# KiCad board AICORS_PCB.kicad_pcb
title: AICORS FPGA Board; date: 2025-04-14; rev: 3.1; company: ICDT - Bertescu Andrei
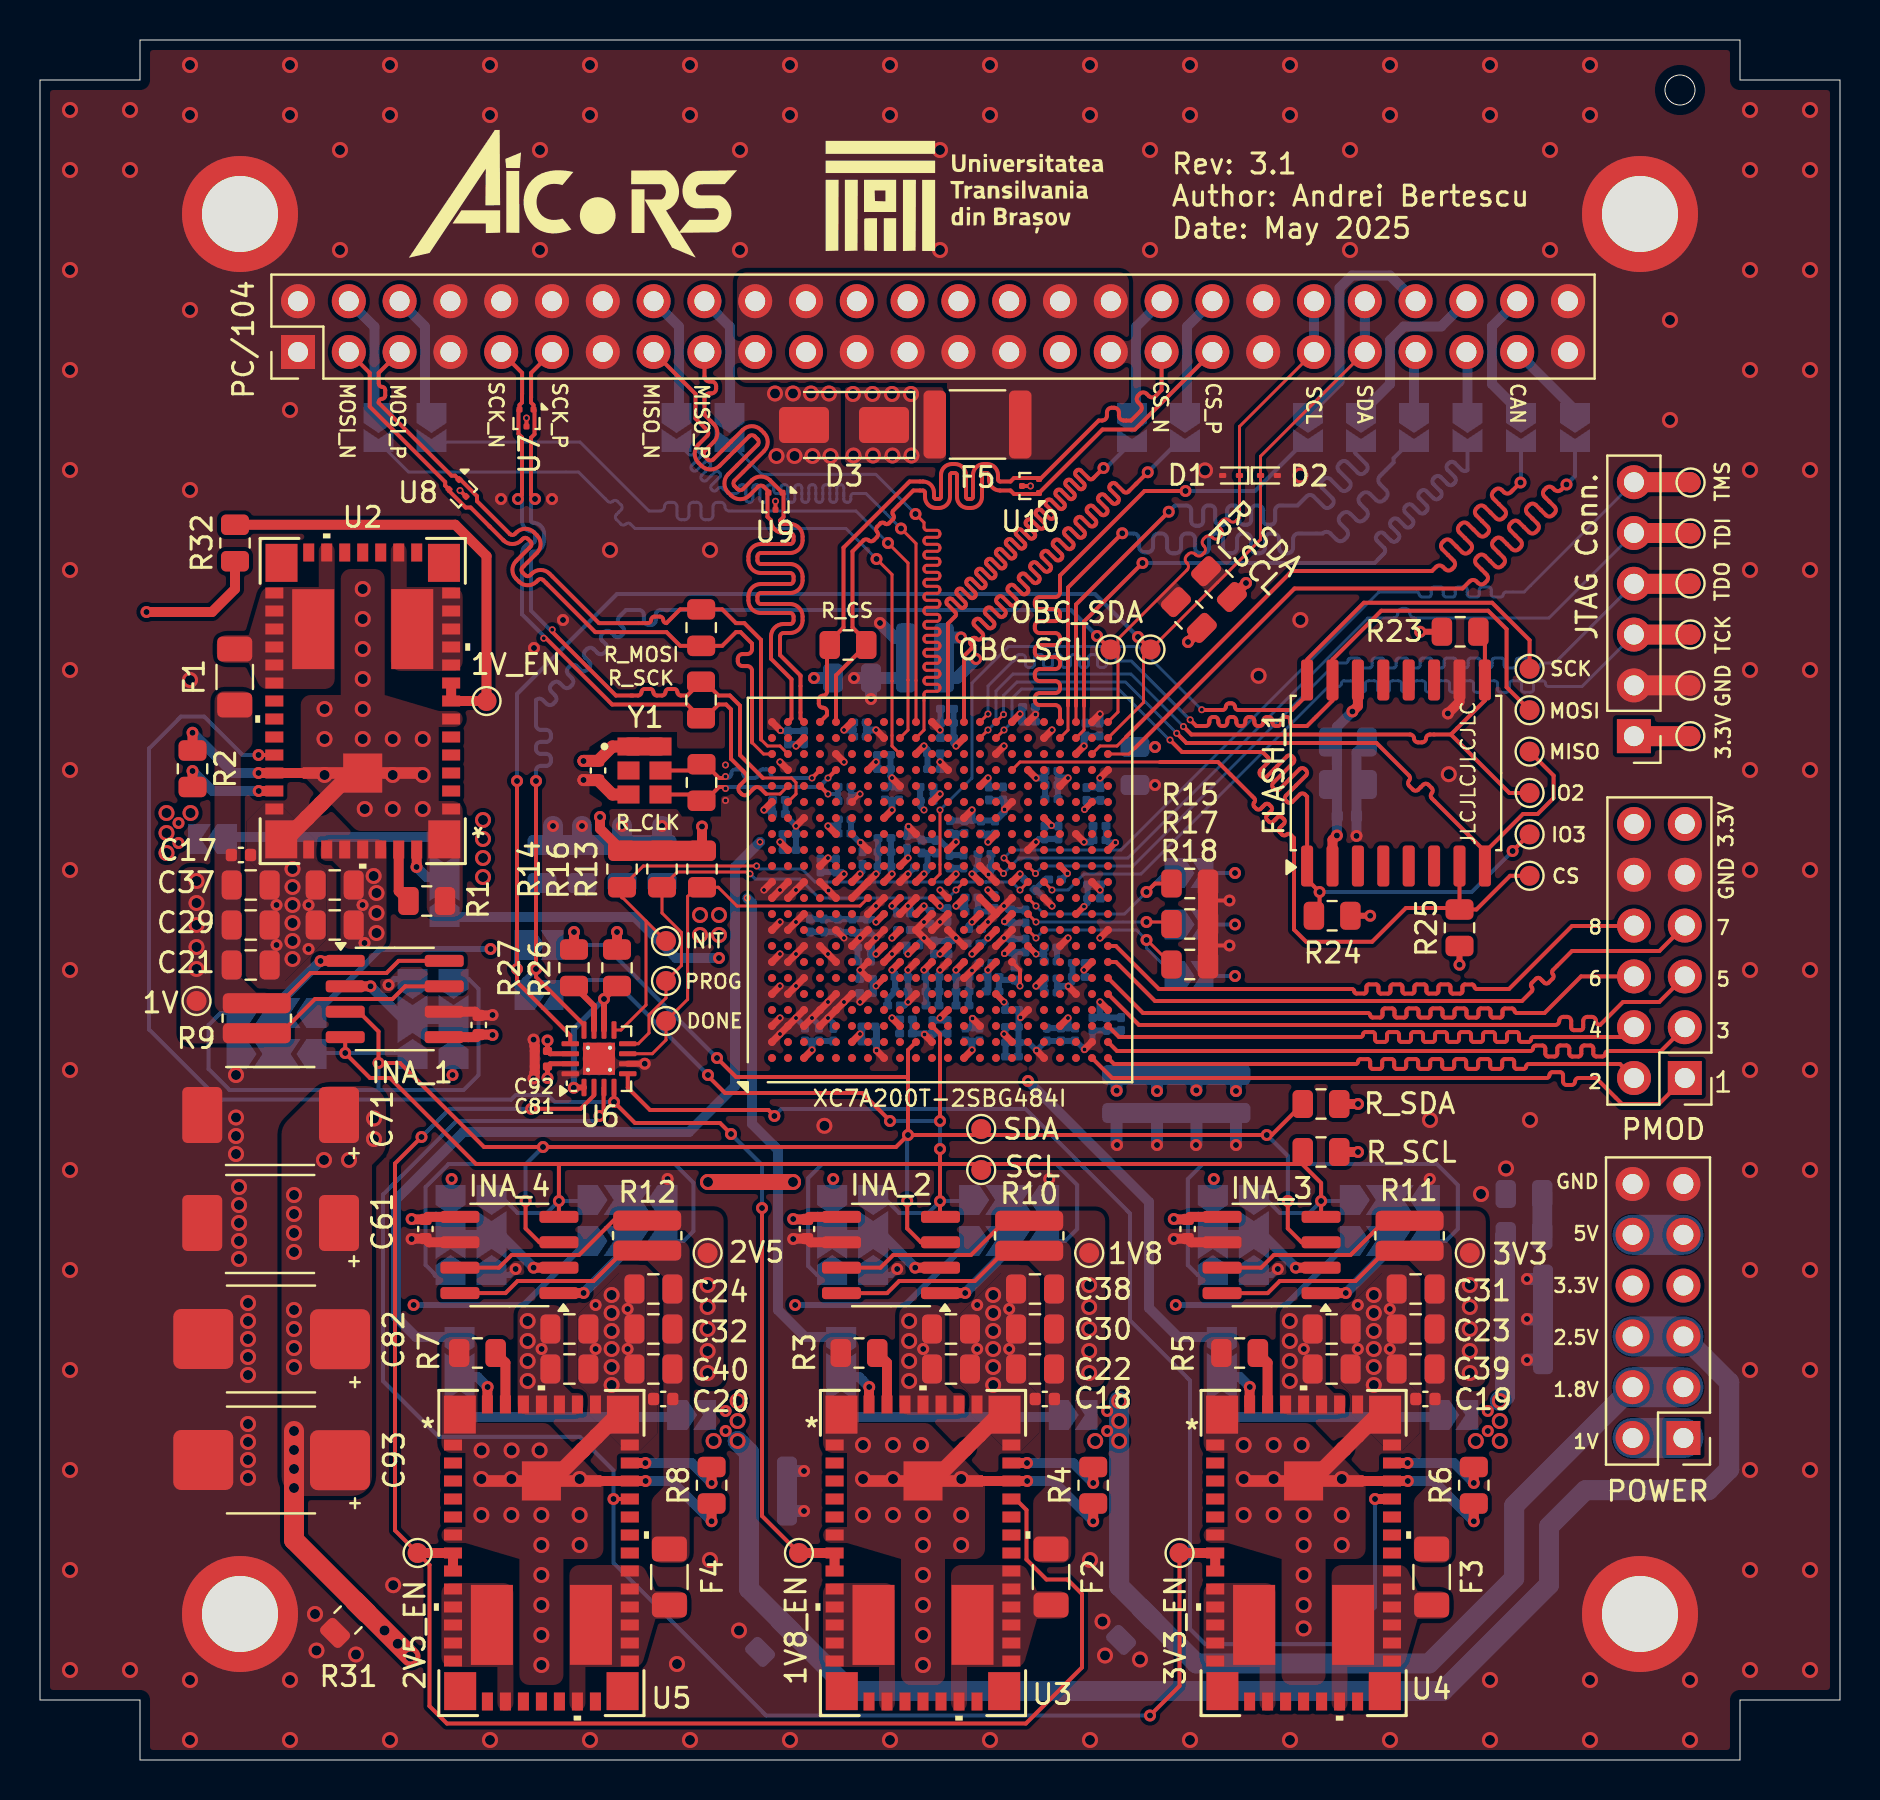
[diagram p0: board, top side]
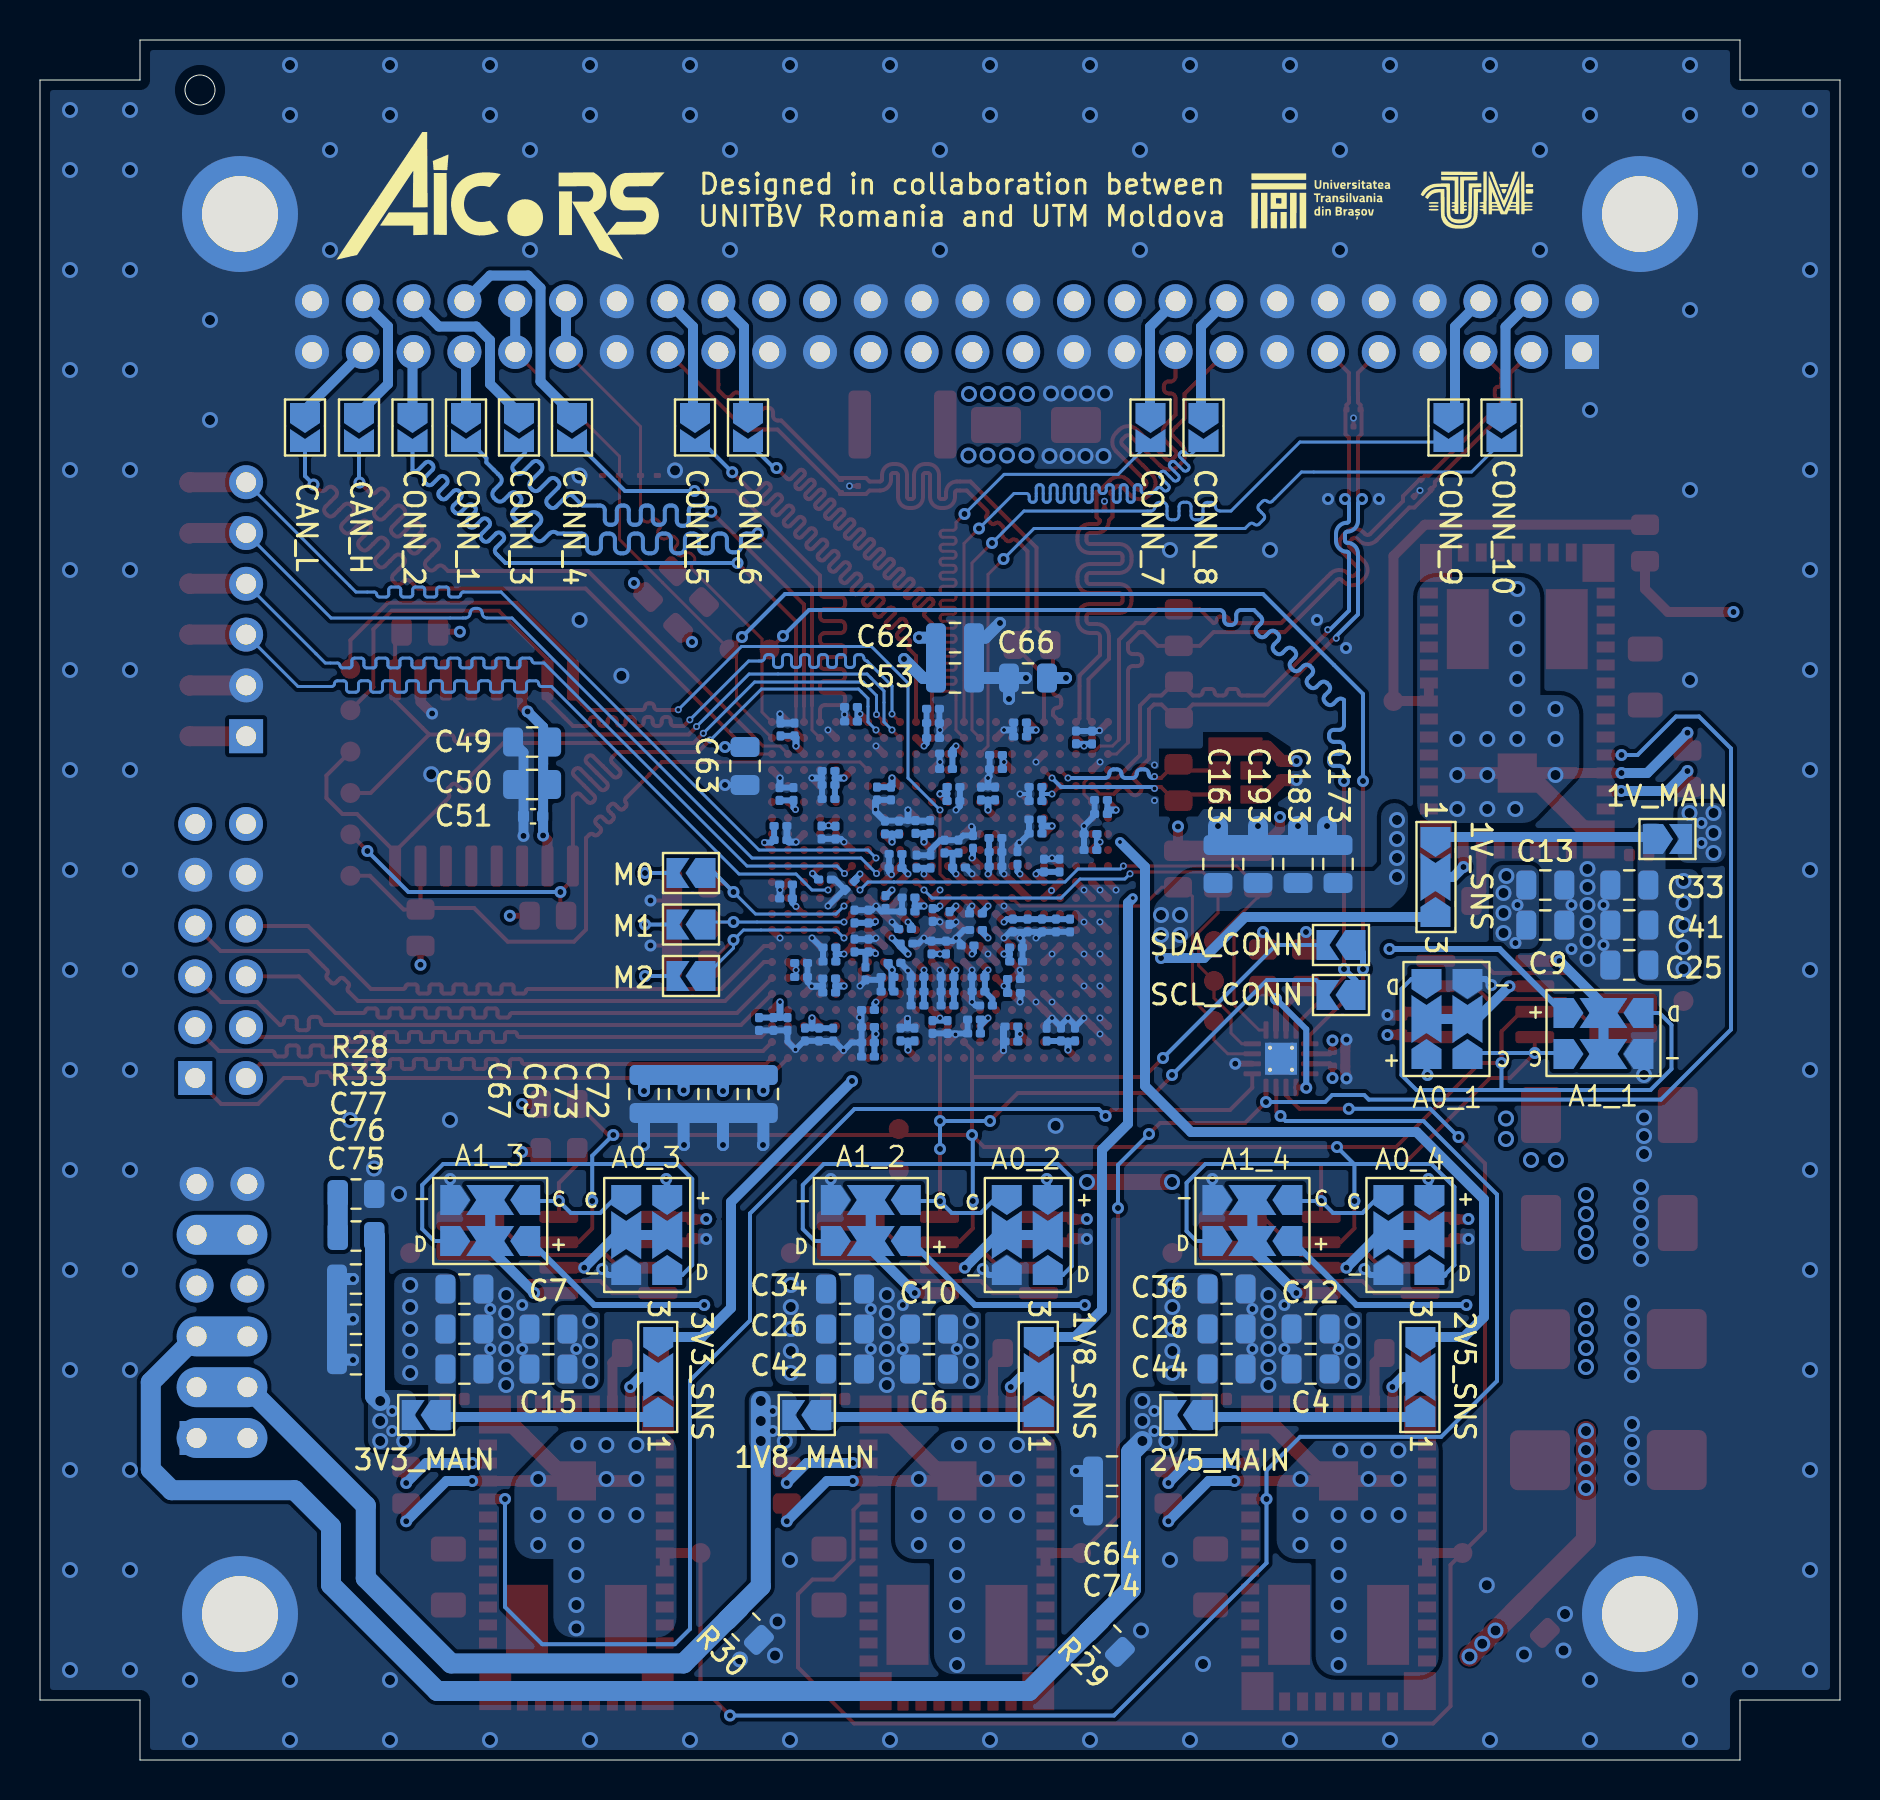
[diagram p1: board, bottom side, seen from below]

Outline 90 x 86 mm; copper layers: Top, In1.Cu, In2.Cu, Bottom. Coordinates in mm from the lower left corner of the outline.
Outline path: circle c82,83.5 r0.75 ; 0,84 0,3 5,3 5,0 85,0 85,3 90,3 90,84 85,84 85,86 5,86 5,84 0,84
Stack: Top 0.035mm / dielectric 0.1mm FR4 er 4.5 / dielectric 0.069mm FR4 er 1 / In1.Cu 0.03mm / dielectric 1.057mm FR4 er 4.5 / In2.Cu 0.03mm / dielectric 0.069mm FR4 er 4.5 / dielectric 0.124mm / Bottom 0.035mm

## Placement (name value [footprint] x y rotation side)
A0_1  SW_Rotary_1x4_MP  [4_Way_SolderJumper]  19.63 37.05 90 bottom  (not fitted)
A0_2  SW_Rotary_1x4_MP  [4_Way_SolderJumper]  40.66 26.25 270 bottom  (not fitted)
A0_3  SW_Rotary_1x4_MP  [4_Way_SolderJumper]  59.69 26.25 270 bottom  (not fitted)
A0_4  SW_Rotary_1x4_MP  [4_Way_SolderJumper]  21.58 26.25 270 bottom  (not fitted)
A1_1  SW_Rotary_1x4_MP  [4_Way_SolderJumper]  11.83 36.3 180 bottom  (not fitted)
A1_2  SW_Rotary_1x4_MP  [4_Way_SolderJumper]  48.46 27 0 bottom  (not fitted)
A1_3  SW_Rotary_1x4_MP  [4_Way_SolderJumper]  67.49 27 0 bottom  (not fitted)
A1_4  SW_Rotary_1x4_MP  [4_Way_SolderJumper]  29.38 27 0 bottom  (not fitted)
C1  47uF  [C_0805_2012Metric]  14.74 43.75 180 top
C2  47uF  [C_0805_2012Metric]  45.55 19.55 0 top
C3  47uF  [C_0805_2012Metric]  64.58 21.55 0 top
C4  47uF  [C_0805_2012Metric]  26.47 19.55 0 bottom
C5  47uF  [C_0805_2012Metric]  14.74 41.75 180 top
C6  47uF  [C_0805_2012Metric]  45.55 19.55 0 bottom
C7  47uF  [C_0805_2012Metric]  64.58 21.55 0 bottom
C8  47uF  [C_0805_2012Metric]  26.47 19.55 0 top
C9  22uF  [C_0805_2012Metric]  14.74 41.75 180 bottom
C10  22uF  [C_0805_2012Metric]  45.55 21.55 0 bottom
C11  22uF  [C_0805_2012Metric]  64.58 19.55 0 top
C12  22uF  [C_0805_2012Metric]  26.47 21.55 0 bottom
C13  22uF  [C_0805_2012Metric]  14.74 43.75 180 bottom
C14  22uF  [C_0805_2012Metric]  45.55 21.55 0 top
C15  22uF  [C_0805_2012Metric]  64.58 19.55 0 bottom
C16  22uF  [C_0805_2012Metric]  26.47 21.55 0 top
C17  0.1uF  [C_0402_1005Metric]  10.05 45.25 0 top
C18  0.1uF  [C_0402_1005Metric]  50.24 18.05 180 top
C19  0.1uF  [C_0402_1005Metric]  69.27 18.05 180 top
C20  0.1uF  [C_0402_1005Metric]  31.16 18.05 180 top
C21  47uF  [C_0805_2012Metric]  10.54 39.75 0 top
C22  47uF  [C_0805_2012Metric]  49.75 19.55 180 top
C23  47uF  [C_0805_2012Metric]  68.78 21.55 180 top
C24  47uF  [C_0805_2012Metric]  30.67 23.55 180 top
C25  47uF  [C_0805_2012Metric]  10.54 39.75 0 bottom
C26  47uF  [C_0805_2012Metric]  49.75 21.55 180 bottom
C27  47uF  [C_0805_2012Metric]  68.78 23.55 180 bottom
C28  47uF  [C_0805_2012Metric]  30.67 21.55 180 bottom
C29  47uF  [C_0805_2012Metric]  10.54 41.75 0 top
C30  47uF  [C_0805_2012Metric]  49.75 21.55 180 top
C31  47uF  [C_0805_2012Metric]  68.78 23.55 180 top
C32  47uF  [C_0805_2012Metric]  30.67 21.55 180 top
C33  47uF  [C_0805_2012Metric]  10.54 43.75 0 bottom
C34  47uF  [C_0805_2012Metric]  49.75 23.55 180 bottom
C35  47uF  [C_0805_2012Metric]  68.78 21.55 180 bottom
C36  47uF  [C_0805_2012Metric]  30.67 23.55 180 bottom
C37  47uF  [C_0805_2012Metric]  10.54 43.75 0 top
C38  47uF  [C_0805_2012Metric]  49.75 23.55 180 top
C39  47uF  [C_0805_2012Metric]  68.78 19.55 180 top
C40  47uF  [C_0805_2012Metric]  30.67 19.55 180 top
C41  47uF  [C_0805_2012Metric]  10.54 41.75 0 bottom
C42  47uF  [C_0805_2012Metric]  49.75 19.55 180 bottom
C43  47uF  [C_0805_2012Metric]  68.78 19.55 180 bottom
C44  47uF  [C_0805_2012Metric]  30.67 19.55 180 bottom
C45  0.1uF  [C_0402_1005Metric]  21.94 36.75 90 top
C46  0.1uF  [C_0402_1005Metric]  38.35 26.55 270 top
C47  0.1uF  [C_0402_1005Metric]  57.38 26.55 270 top
C48  0.1uF  [C_0402_1005Metric]  19.27 26.55 270 top
C49  47uF  [C_0805_2012Metric]  65.39 50.9 0 bottom
C50  22uF  [C_0805_2012Metric]  65.39 48.77 0 bottom
C51  0.1uF  [C_0402_1005Metric]  65.34 47.18 0 bottom
C52  0.1uF  [C_0402_1005Metric]  27.9 49.47 270 top
C53  47uF  [C_0805_2012Metric]  44.25 54.1 180 bottom
C54  0.47uF  [C_0201_0603Metric]  45.35 52.56 180 bottom
C55  0.47uF  [C_0201_0603Metric]  48.6 35.17 0 bottom
C56  4.7uF  [C_0201_0603Metric]  54.05 36.8 270 bottom
C58  4.7uF  [C_0201_0603Metric]  39.67 36.27 90 bottom
C60  4.7uF  [C_0201_0603Metric]  50.34 36.27 270 bottom
C61  100uF  [Panasonic_D2 Tantalum Capacitor]  11.5 26.8 180 top
C62  47uF  [C_0805_2012Metric]  44.25 56.12 180 bottom
C63  47uF  [C_0805_2012Metric]  54.75 49.7 270 bottom
C64  47uF  [C_0805_2012Metric]  36.4 14.45 0 bottom
C65  47uF  [C_0805_2012Metric]  57.82 33.3 270 bottom
C66  47uF  [C_0805_2012Metric]  40.6 54.1 0 bottom
C67  47uF  [C_0805_2012Metric]  59.8 33.3 270 bottom
C68  4.7uF  [C_0201_0603Metric]  44.07 45.67 90 bottom
C69  4.7uF  [C_0201_0603Metric]  48.73 39.32 270 bottom
C70  0.47uF  [C_0201_0603Metric]  46.68 40.82 180 bottom
C71  100uF  [Panasonic_D2 Tantalum Capacitor]  11.5 32.2 180 top
C72  47uF  [C_0805_2012Metric]  53.83 33.3 270 bottom
C73  47uF  [C_0805_2012Metric]  55.85 33.3 270 bottom
C74  47uF  [C_0805_2012Metric]  36.4 12.45 0 bottom
C75  47uF  [C_0805_2012Metric]  74.2 20.02 0 bottom
C76  47uF  [C_0805_2012Metric]  74.2 22.03 0 bottom
C77  47uF  [C_0805_2012Metric]  74.2 24.05 0 bottom
C78  4.7uF  [C_0201_0603Metric]  42.23 46.1 180 bottom
C79  4.7uF  [C_0201_0603Metric]  40.63 41.72 270 bottom
C80  0.47uF  [C_0201_0603Metric]  46.13 39.15 0 bottom
C81  4.7uF  [C_0201_0603Metric]  25.05 34.67 180 top
C82  680uF  [Panasonic_D4 Tantalum Capacitor]  11.5 21.05 180 top
C83  4.7uF  [C_0201_0603Metric]  47.23 44.6 0 bottom
C84  4.7uF  [C_0201_0603Metric]  52.98 51.52 90 bottom
C85  4.7uF  [C_0201_0603Metric]  50.53 39.92 0 bottom
C86  4.7uF  [C_0201_0603Metric]  36.95 48 0 bottom
C87  4.7uF  [C_0201_0603Metric]  50.57 48.75 0 bottom
C88  4.7uF  [C_0201_0603Metric]  53.02 48.3 90 bottom
C89  4.7uF  [C_0201_0603Metric]  52.98 46.7 180 bottom
C90  4.7uF  [C_0201_0603Metric]  44.63 37.72 0 bottom
C91  0.47uF  [C_0201_0603Metric]  45.43 40.62 90 bottom
C92  4.7uF  [C_0201_0603Metric]  25.05 35.45 180 top
C93  680uF  [Panasonic_D4 Tantalum Capacitor]  11.5 15 180 top
C94  4.7uF  [C_0201_0603Metric]  42.23 45.4 180 bottom
C95  4.7uF  [C_0201_0603Metric]  49.5 43.73 315 bottom
C96  4.7uF  [C_0201_0603Metric]  51.05 36.27 270 bottom
C97  4.7uF  [C_0201_0603Metric]  40.23 47.95 0 bottom
C98  4.7uF  [C_0201_0603Metric]  52.7 43.07 0 bottom
C99  4.7uF  [C_0201_0603Metric]  51.95 39.85 180 bottom
C100  4.7uF  [C_0201_0603Metric]  50.54 38.38 0 bottom
C101  4.7uF  [C_0201_0603Metric]  42.7 37.72 0 bottom
C102  0.47uF  [C_0201_0603Metric]  46.75 41.55 0 bottom
C103  4.7uF  [C_0201_0603Metric]  39.02 44.72 90 bottom
C104  4.7uF  [C_0201_0603Metric]  47.45 48.32 270 bottom
C105  4.7uF  [C_0201_0603Metric]  44.33 47.95 180 bottom
C106  4.7uF  [C_0201_0603Metric]  38.2 51.13 90 bottom
C107  4.7uF  [C_0201_0603Metric]  44.7 49.55 0 bottom
C108  4.7uF  [C_0201_0603Metric]  49.45 52.65 0 bottom
C109  4.7uF  [C_0201_0603Metric]  45.35 51.85 180 bottom
C110  0.47uF  [C_0201_0603Metric]  41.35 41.72 270 bottom
C111  4.7uF  [C_0201_0603Metric]  39.9 41.72 270 bottom
C112  0.47uF  [C_0201_0603Metric]  41.2 39.92 180 bottom
C113  4.7uF  [C_0201_0603Metric]  45.48 44.92 90 bottom
C114  4.7uF  [C_0201_0603Metric]  42.2 50.25 0 bottom
C115  4.7uF  [C_0201_0603Metric]  42.25 48.32 90 bottom
C116  4.7uF  [C_0201_0603Metric]  37.48 45.5 0 bottom
C117  4.7uF  [C_0201_0603Metric]  50.57 48.05 0 bottom
C118  4.7uF  [C_0201_0603Metric]  53.32 36.8 270 bottom
C119  4.7uF  [C_0201_0603Metric]  52.7 43.77 0 bottom
C120  0.47uF  [C_0201_0603Metric]  45.37 42.25 270 bottom
C121  4.7uF  [C_0201_0603Metric]  38.5 41.72 270 bottom
C122  0.47uF  [C_0201_0603Metric]  41.2 40.62 180 bottom
C123  4.7uF  [C_0201_0603Metric]  44.77 45.67 90 bottom
C124  4.7uF  [C_0201_0603Metric]  41.3 38.35 180 bottom
C125  4.7uF  [C_0201_0603Metric]  47.75 46.62 90 bottom
C126  4.7uF  [C_0201_0603Metric]  40.99 51.88 0 bottom
C127  4.7uF  [C_0201_0603Metric]  38.95 36.27 90 bottom
C128  4.7uF  [C_0201_0603Metric]  45.5 46.65 90 bottom
C129  4.7uF  [C_0201_0603Metric]  50.93 46.38 270 bottom
C130  0.47uF  [C_0201_0603Metric]  43.21 42.32 0 bottom
C131  4.7uF  [C_0201_0603Metric]  46.57 43.12 0 bottom
C132  0.47uF  [C_0201_0603Metric]  46.57 42.42 0 bottom
C133  4.7uF  [C_0201_0603Metric]  48.6 35.88 0 bottom
C134  4.7uF  [C_0201_0603Metric]  46.98 36.27 90 bottom
C135  4.7uF  [C_0201_0603Metric]  40.23 47.02 0 bottom
C136  4.7uF  [C_0201_0603Metric]  45.38 36.65 270 bottom
C137  4.7uF  [C_0201_0603Metric]  43.3 36.32 0 bottom
C138  4.7uF  [C_0201_0603Metric]  41.43 36.67 0 bottom
C139  4.7uF  [C_0201_0603Metric]  47.63 38.42 0 bottom
C140  4.7uF  [C_0201_0603Metric]  46.13 37.72 0 bottom
C141  0.47uF  [C_0201_0603Metric]  43.07 39.15 0 bottom
C142  0.47uF  [C_0201_0603Metric]  47.23 45.3 0 bottom
C143  4.7uF  [C_0201_0603Metric]  44.63 38.42 0 bottom
C144  4.7uF  [C_0201_0603Metric]  39.2 41.72 270 bottom
C145  0.47uF  [C_0201_0603Metric]  48.57 40.72 90 bottom
C146  0.47uF  [C_0201_0603Metric]  42.23 44.67 180 bottom
C147  0.47uF  [C_0201_0603Metric]  47.05 46.62 90 bottom
C148  0.47uF  [C_0201_0603Metric]  48.15 48.32 270 bottom
C149  0.47uF  [C_0201_0603Metric]  40.23 48.65 0 bottom
C150  0.47uF  [C_0201_0603Metric]  46.27 36.27 90 bottom
C151  0.47uF  [C_0201_0603Metric]  52.98 46 180 bottom
C152  0.47uF  [C_0201_0603Metric]  44.32 48.65 180 bottom
C153  4.7uF  [C_0201_0603Metric]  46.13 38.42 0 bottom
C154  4.7uF  [C_0201_0603Metric]  44.7 40.62 90 bottom
C155  0.47uF  [C_0201_0603Metric]  48.57 42.17 90 bottom
C156  0.47uF  [C_0201_0603Metric]  44.52 42.1 270 bottom
C157  0.47uF  [C_0201_0603Metric]  41.13 45.1 90 bottom
C158  0.47uF  [C_0201_0603Metric]  50.23 46.37 270 bottom
C159  0.47uF  [C_0201_0603Metric]  36.95 47.3 0 bottom
C160  0.47uF  [C_0201_0603Metric]  50.54 39.07 0 bottom
C161  0.47uF  [C_0201_0603Metric]  52.32 48.3 90 bottom
C162  0.47uF  [C_0201_0603Metric]  45.35 51.1 180 bottom
C163  47uF  [C_0805_2012Metric]  31.1 44.8 90 bottom
C164  4.7uF  [C_0201_0603Metric]  47.27 39.85 180 bottom
C165  0.47uF  [C_0201_0603Metric]  43.63 40.72 0 bottom
C166  0.47uF  [C_0201_0603Metric]  44.05 44.62 180 bottom
C167  0.47uF  [C_0201_0603Metric]  41.3 39.05 180 bottom
C168  0.47uF  [C_0201_0603Metric]  48.6 37.5 0 bottom
C169  0.47uF  [C_0201_0603Metric]  40.99 51.17 0 bottom
C170  0.47uF  [C_0201_0603Metric]  52.63 36.8 270 bottom
C171  0.47uF  [C_0201_0603Metric]  43.3 37.02 0 bottom
C172  0.47uF  [C_0201_0603Metric]  44.63 36.65 270 bottom
C173  47uF  [C_0805_2012Metric]  25.1 44.8 90 bottom
C174  4.7uF  [C_0201_0603Metric]  43.07 38.42 0 bottom
C175  0.47uF  [C_0201_0603Metric]  43.2 41.5 0 bottom
C176  0.47uF  [C_0201_0603Metric]  39.8 44.72 90 bottom
C177  0.47uF  [C_0201_0603Metric]  46.23 46.65 90 bottom
C178  0.47uF  [C_0201_0603Metric]  51.75 36.27 270 bottom
C179  0.47uF  [C_0201_0603Metric]  37.48 46.3 0 bottom
C180  0.47uF  [C_0201_0603Metric]  52.27 51.52 90 bottom
C181  0.47uF  [C_0201_0603Metric]  42.2 49.55 0 bottom
C182  0.47uF  [C_0201_0603Metric]  51.95 39.15 180 bottom
C183  47uF  [C_0805_2012Metric]  27.1 44.8 90 bottom
C184  4.7uF  [C_0201_0603Metric]  49.27 40.72 90 bottom
C185  0.47uF  [C_0201_0603Metric]  44.63 39.15 0 bottom
C186  0.47uF  [C_0201_0603Metric]  46.18 44.92 90 bottom
C187  0.47uF  [C_0201_0603Metric]  43.35 45.91 90 bottom
C188  0.47uF  [C_0201_0603Metric]  38.25 36.27 90 bottom
C189  0.47uF  [C_0201_0603Metric]  40.23 46.32 0 bottom
C190  0.47uF  [C_0201_0603Metric]  50.57 49.45 0 bottom
C191  0.47uF  [C_0201_0603Metric]  50.75 44.02 180 bottom
C192  0.47uF  [C_0201_0603Metric]  48.6 36.65 0 bottom
C193  47uF  [C_0805_2012Metric]  29.1 44.8 90 bottom
C194  4.7uF  [C_0201_0603Metric]  49.27 42.17 90 bottom
C195  0.47uF  [C_0201_0603Metric]  47.63 39.15 0 bottom
C196  0.47uF  [C_0201_0603Metric]  47.73 42.9 270 bottom
C197  0.47uF  [C_0201_0603Metric]  50.53 40.62 0 bottom
C198  0.47uF  [C_0201_0603Metric]  49.45 51.92 0 bottom
C199  0.47uF  [C_0201_0603Metric]  37.4 51.12 90 bottom
C200  0.47uF  [C_0201_0603Metric]  44.7 50.32 0 bottom
C201  0.47uF  [C_0201_0603Metric]  42.95 48.32 90 bottom
C202  0.47uF  [C_0201_0603Metric]  41.43 35.92 0 bottom
D1  ESD9B3.3ST5G  [D_SOD-923]  59.55 64.22 180 top
D2  ESD9B3.3ST5G  [D_SOD-923]  61.45 64.22 0 top
D3  SMAJ5.0A  [D_SMA]  40.2 66.75 180 top
F1  3A  [Fuse_1206_3216Metric]  9.74 54.15 270 top
F2  3A  [Fuse_1206_3216Metric]  50.55 9.15 90 top
F3  3A  [Fuse_1206_3216Metric]  69.58 9.15 90 top
F4  3A  [Fuse_1206_3216Metric]  31.47 9.15 90 top
F5  MF-MSMF200-2  [Fuse_1812_4532Metric]  46.88 66.77 180 top
FLASH_1  S25FL512SAGMFI010  [SOIC-16W_7.5x10.3mm_P1.27mm]  67.8 49.35 90 top
H1  MountingHole  [MountingHole_3.8mm_1mmPad]  80 77.3 0 top  (not fitted)
H2  MountingHole  [MountingHole_3.8mm_1mmPad]  10 7.3 0 top  (not fitted)
H3  MountingHole  [MountingHole_3.8mm_1mmPad]  80 7.3 0 top  (not fitted)
H4  MountingHole  [MountingHole_3.8mm_1mmPad]  10 77.3 0 top  (not fitted)
INA_1  INA219BID  [SOIC-8_3.9x4.9mm_P1.27mm]  17.74 38.05 0 top
INA_2  INA219BID  [SOIC-8_3.9x4.9mm_P1.27mm]  42.55 25.25 180 top
INA_3  INA219BID  [SOIC-8_3.9x4.9mm_P1.27mm]  61.58 25.25 180 top
INA_4  INA219BID  [SOIC-8_3.9x4.9mm_P1.27mm]  23.47 25.25 180 top
J1  ESQ-126-39-G-D  [52-PinHeader_SlimDensity]  12.9 70.4 90 top
J2  TSW-106-07-L-S  [PinHeader_1x06_P2.54mm_Vertical]  79.69 51.19 180 top
J3  Conn_02x04_Odd_Even  [PinHeader_2x06_P2.54mm_Vertical]  82.24 34.1 180 top  (not fitted)
J4  Conn_02x04_Odd_Even  [PinHeader_2x06_P2.54mm_Vertical]  82.17 16.1 180 top  (not fitted)
JP1  1V_SNS  [SolderJumper-3_P2.0mm_Open_TrianglePad1.0x1.5mm_NumberLabels]  20.23 44.15 270 bottom  (not fitted)
JP2  1V8_SNS  [SolderJumper-3_P2.0mm_Open_TrianglePad1.0x1.5mm_NumberLabels]  40.06 19.15 90 bottom  (not fitted)
JP3  3V3_SNS  [SolderJumper-3_P2.0mm_Open_TrianglePad1.0x1.5mm_NumberLabels]  59.09 19.15 90 bottom  (not fitted)
JP4  2V5_SNS  [SolderJumper-3_P2.0mm_Open_TrianglePad1.0x1.5mm_NumberLabels]  20.98 19.15 90 bottom  (not fitted)
JP5  1V_MAIN  [SolderJumper-2_P1.3mm_Open_TrianglePad1.0x1.5mm]  8.63 46.05 180 bottom  (not fitted)
JP6  1V8_MAIN  [SolderJumper-2_P1.3mm_Open_TrianglePad1.0x1.5mm]  51.66 17.25 0 bottom  (not fitted)
JP7  3V3_MAIN  [SolderJumper-2_P1.3mm_Open_TrianglePad1.0x1.5mm]  70.69 17.25 0 bottom  (not fitted)
JP8  2V5_MAIN  [SolderJumper-2_P1.3mm_Open_TrianglePad1.0x1.5mm]  32.58 17.25 0 bottom  (not fitted)
JP9  M0  [SolderJumper-2_P1.3mm_Open_TrianglePad1.0x1.5mm]  57.45 44.35 0 bottom  (not fitted)
JP10  M1  [SolderJumper-2_P1.3mm_Open_TrianglePad1.0x1.5mm]  57.45 41.77 0 bottom  (not fitted)
JP11  M2  [SolderJumper-2_P1.3mm_Open_TrianglePad1.0x1.5mm]  57.45 39.2 0 bottom  (not fitted)
JP12  SDA_CONN  [SolderJumper-2_P1.3mm_Open_TrianglePad1.0x1.5mm]  24.95 40.75 0 bottom  (not fitted)
JP13  SCL_CONN  [SolderJumper-2_P1.3mm_Open_TrianglePad1.0x1.5mm]  24.95 38.25 0 bottom  (not fitted)
JP14  CONN_10  [SolderJumper-2_P1.3mm_Open_TrianglePad1.0x1.5mm]  16.93 66.62 270 bottom  (not fitted)
JP15  CONN_9  [SolderJumper-2_P1.3mm_Open_TrianglePad1.0x1.5mm]  19.57 66.62 270 bottom  (not fitted)
JP16  CONN_8  [SolderJumper-2_P1.3mm_Open_TrianglePad1.0x1.5mm]  31.82 66.62 270 bottom  (not fitted)
JP17  CONN_7  [SolderJumper-2_P1.3mm_Open_TrianglePad1.0x1.5mm]  34.48 66.62 270 bottom  (not fitted)
JP18  CONN_6  [SolderJumper-2_P1.3mm_Open_TrianglePad1.0x1.5mm]  54.6 66.62 270 bottom  (not fitted)
JP19  CONN_5  [SolderJumper-2_P1.3mm_Open_TrianglePad1.0x1.5mm]  57.25 66.62 270 bottom  (not fitted)
JP20  CONN_4  [SolderJumper-2_P1.3mm_Open_TrianglePad1.0x1.5mm]  63.4 66.62 270 bottom  (not fitted)
JP21  CONN_1  [SolderJumper-2_P1.3mm_Open_TrianglePad1.0x1.5mm]  68.7 66.62 270 bottom  (not fitted)
JP22  CONN_3  [SolderJumper-2_P1.3mm_Open_TrianglePad1.0x1.5mm]  66.05 66.62 270 bottom  (not fitted)
JP23  CONN_2  [SolderJumper-2_P1.3mm_Open_TrianglePad1.0x1.5mm]  71.38 66.62 270 bottom  (not fitted)
JP24  CAN_H  [SolderJumper-2_P1.3mm_Open_TrianglePad1.0x1.5mm]  74.05 66.62 270 bottom  (not fitted)
JP25  CAN_L  [SolderJumper-2_P1.3mm_Open_TrianglePad1.0x1.5mm]  76.75 66.62 270 bottom  (not fitted)
NT1  SHORT  [NetTie-2_SMD_Pad0.5mm]  32.95 40.1 0 bottom  (not fitted)
NT2  SHORT  [NetTie-2_SMD_Pad0.5mm]  35.6 41.75 90 bottom  (not fitted)
NT3  SHORT  [NetTie-2_SMD_Pad0.5mm]  57.4 21.15 180 bottom  (not fitted)
NT4  SHORT  [NetTie-2_SMD_Pad0.5mm]  34.75 44 90 bottom  (not fitted)
NT5  SHORT  [Net_tie_1mm]  13.71 47.46 45 top  (not fitted)
NT6  SHORT  [Net_tie_1mm]  46.61 15.92 225 top  (not fitted)
NT7  SHORT  [Net_tie_1mm]  65.52 15.89 225 top  (not fitted)
NT8  SHORT  [Net_tie_1mm]  27.48 15.84 225 top  (not fitted)
R1  5.76k  [R_0805_2012Metric]  19.34 42.95 180 top
R2  OPEN  [R_0805_2012Metric]  7.63 49.56 270 top  (not fitted)
R3  1.13k  [R_0805_2012Metric]  40.95 20.35 0 top
R4  324k  [R_0805_2012Metric]  52.66 13.74 90 top
R5  453R  [R_0805_2012Metric]  59.98 20.35 0 top
R6  158k  [R_0805_2012Metric]  71.69 13.74 90 top
R7  665R  [R_0805_2012Metric]  21.87 20.35 0 top
R8  324k  [R_0805_2012Metric]  33.58 13.74 90 top
R9  0.02R  [R_0612_1632Metric]  10.84 37.09 270 top
R10  0.02R  [R_0612_1632Metric]  49.46 26.21 90 top
R11  0.02R  [R_0612_1632Metric]  68.48 26.21 90 top
R12  0.02R  [R_0612_1632Metric]  30.36 26.22 90 top
R13  453R  [R_0805_2012Metric]  33.1 44.55 270 top
R14  4.7k  [R_0805_2012Metric]  29.1 44.55 270 top
R15  1k  [R_0805_2012Metric]  57.49 43.82 180 top
R16  4.7k  [R_0805_2012Metric]  31.1 44.55 270 top
R17  1k  [R_0805_2012Metric]  57.49 41.8 180 top
R18  1k  [R_0805_2012Metric]  57.49 39.77 180 top
R19  3.3k  [R_0805_2012Metric]  58.95 58.8 315 top
R20  3.3k  [R_0805_2012Metric]  64.05 32.8 0 top
R21  3.3k  [R_0805_2012Metric]  57.45 57.25 315 top
R22  3.3k  [R_0805_2012Metric]  64.05 30.4 0 top
R23  4.7k  [R_0805_2012Metric]  71.01 56.41 0 top
R24  4.7k  [R_0805_2012Metric]  64.61 42.21 180 top
R25  4.7k  [R_0805_2012Metric]  70.97 41.61 90 top
R26  1k  [R_0805_2012Metric]  28.85 39.61 90 top
R27  1k  [R_0805_2012Metric]  26.7 39.61 90 top
R28  10k  [R_0805_2012Metric]  74.2 28.3 0 bottom
R29  324k  [R_0805_2012Metric]  36.65 6.05 45 bottom
R30  324k  [R_0805_2012Metric]  54.7 6.65 45 bottom
R31  10k  [R_0805_2012Metric]  15.4 7 45 top
R32  3.3k  [R_0805_2012Metric]  9.75 60.85 90 top
R33  10k  [R_0805_2012Metric]  74.2 26.2 180 bottom
R34  100R  [R_0805_2012Metric]  33.05 53 90 top
R35  100R  [R_0805_2012Metric]  33.07 48.88 270 top
R36  100R  [R_0805_2012Metric]  33.06 56.62 90 top
R37  100R  [R_0805_2012Metric]  40.4 55.75 0 top
TP1  1V  [TestPoint_Pad_D1.0mm]  7.83 37.95 180 top  (not fitted)
TP2  1V8  [TestPoint_Pad_D1.0mm]  52.46 25.35 0 top  (not fitted)
TP3  TMS  [TestPoint_Pad_D1.0mm]  82.53 63.88 0 top  (not fitted)
TP4  TDI  [TestPoint_Pad_D1.0mm]  82.53 61.32 0 top  (not fitted)
TP5  DONE  [TestPoint_Pad_D1.0mm]  31.3 36.95 0 top  (not fitted)
TP6  TDO  [TestPoint_Pad_D1.0mm]  82.53 58.82 0 top  (not fitted)
TP7  INIT  [TestPoint_Pad_D1.0mm]  31.3 40.95 0 top  (not fitted)
TP8  PROG  [TestPoint_Pad_D1.0mm]  31.3 38.95 0 top  (not fitted)
TP9  TCK  [TestPoint_Pad_D1.0mm]  82.53 56.27 0 top  (not fitted)
TP10  SDA  [TestPoint_Pad_D1.0mm]  47.06 31.55 0 top  (not fitted)
TP11  SCL  [TestPoint_Pad_D1.0mm]  47.06 29.5 0 top  (not fitted)
TP12  SCK  [TestPoint_Pad_D1.0mm]  74.48 54.56 90 top  (not fitted)
TP13  MOSI  [TestPoint_Pad_D1.0mm]  74.48 52.49 90 top  (not fitted)
TP14  MISO  [TestPoint_Pad_D1.0mm]  74.48 50.42 90 top  (not fitted)
TP15  IO2  [TestPoint_Pad_D1.0mm]  74.48 48.35 90 top  (not fitted)
TP16  IO3  [TestPoint_Pad_D1.0mm]  74.48 46.28 90 top  (not fitted)
TP17  CS  [TestPoint_Pad_D1.0mm]  74.48 44.21 90 top  (not fitted)
TP18  OBC_SDA  [TestPoint_Pad_D1.0mm]  55.52 55.52 0 top  (not fitted)
TP19  OBC_SCL  [TestPoint_Pad_D1.0mm]  53.52 55.52 0 top  (not fitted)
TP20  1V_EN  [TestPoint_Pad_D1.0mm]  22.33 52.95 180 top  (not fitted)
TP21  1V8_EN  [TestPoint_Pad_D1.0mm]  37.95 10.35 0 top  (not fitted)
TP22  3V3_EN  [TestPoint_Pad_D1.0mm]  56.98 10.35 180 top  (not fitted)
TP23  2V5_EN  [TestPoint_Pad_D1.0mm]  18.88 10.35 180 top  (not fitted)
TP24  3V3  [TestPoint_Pad_D1.0mm]  71.49 25.35 0 top  (not fitted)
TP25  2V5  [TestPoint_Pad_D1.0mm]  33.38 25.35 0 top  (not fitted)
TP26  GND  [TestPoint_Pad_D1.0mm]  82.52 53.72 0 top  (not fitted)
TP27  3.3V  [TestPoint_Pad_D1.0mm]  82.52 51.19 0 top  (not fitted)
U1  XC7A200T-2SBG484I  [Xilinx_SBG484]  45 43.5 90 top
U2  TPS84320RUQR  [TPS84320]  16.14 52.95 180 top
U3  TPS84320RUQR  [TPS84320]  44.15 10.35 0 top
U4  TPS84320RUQR  [TPS84320]  63.18 10.35 0 top
U5  TPS84320RUQR  [TPS84320]  25.07 10.35 0 top
U6  TCA6408ARGTR  [VQFN-16-1EP_3x3mm_P0.5mm_EP1.6x1.6mm_ThermalVias]  27.95 35.06 90 top
U7  TPD2EUSB30A  [Texas_DRT-3]  24.32 67.1 180 top
U8  TPD2EUSB30A  [Texas_DRT-3]  21 63.47 225 top
U9  TPD2EUSB30A  [Texas_DRT-3]  36.77 62.94 180 top
U10  TPD2EUSB30A  [Texas_DRT-3]  49.52 63.7 90 top
Y1  AX3DAF1-100.0000T  [XTAL_AX3DAF1-100.0000T]  30.23 49.47 0 top
